# Altium PCB RcMPPT-SCC1.PcbDoc (part 1 of 2) (continued)
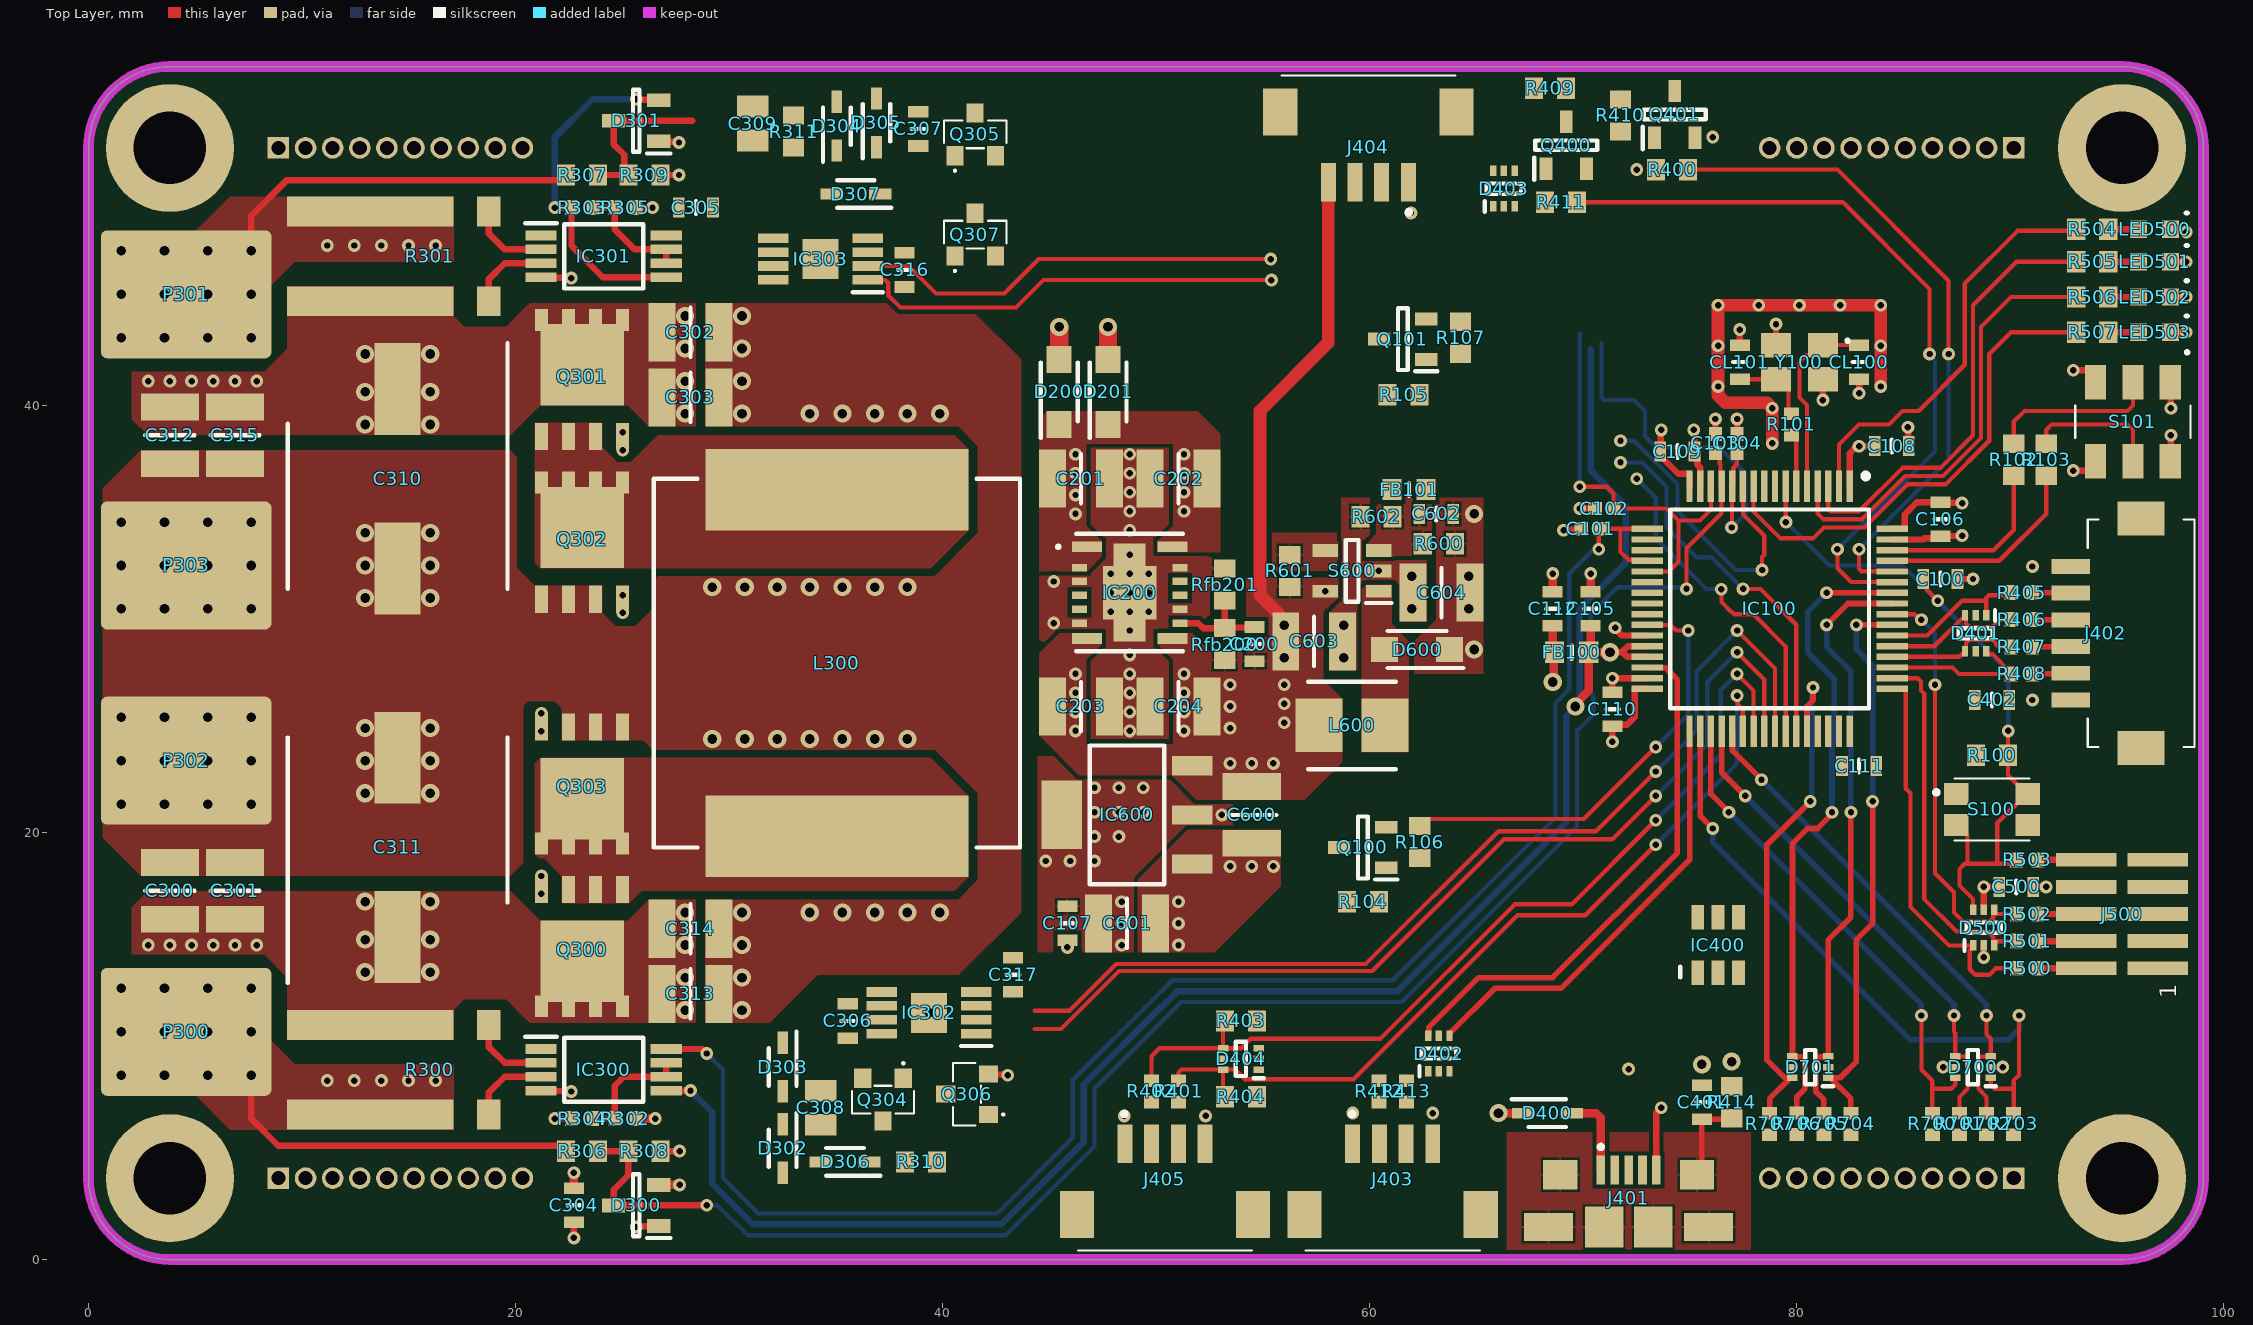
[diagram p0: Top Layer view]
## Classes and differential pairs
component class "BMS Interface": D700 D701 J700 J701 J702 J703 R700 R701 R702 R703 R704 R705 R706 R707
component class "Supply Rail Generation": C600 C601 C602 C603 C604 D600 IC600 L600 R600 R601 R602 S600
component class "SWD and LED Debug": C500 D500 J500 LED1 LED2 LED3 LED4 LED500 LED501 LED502 LED503 R5 R6 R7 R8 R500 R501 R502 R503 R504 R505 R506 R507
component class "STM32 MCU and Peripherals": C100 C101 C102 C103 C104 C105 C106 C107 C108 C109 C110 C111 C112 CL100 CL101 FB100 IC100 LED100 LED101 LED102 LED103 Q100 Q101 R100 R101 R102 R103 R104 R105 R106 R107 S100 S101 SW100 Y100
component class "RcMPPT Peripheral Interfaces": C401 C402 D400 D401 D402 D403 D404 J401 J402 J403 J404 J405 Q400 Q401 R400 R401 R402 R403 R404 R405 R406 R407 R408 R409 R410 R411 R412 R413 R414
component class "4 SW Buck Boost HW": C300 C301 C302 C303 C304 C305 C306 C307 C308 C309 C310 C311 C312 C313 C314 C315 C316 C317 D300 D301 D302 D303 D304 D305 D306 D307 IC300 IC301 IC302 IC303 L300 P300 P301 P302 P303 Q300 Q301 Q302 Q303 Q304 Q305 Q306 Q307 R300 R301 R302 R303 R304 R305 R306 R307 R308 R309 R310 R311
component class "Integrated Inductor Buck Supply": C200 C201 C202 C203 C204 D200 D201 IC200 Rfb200 Rfb201
differential pair USB-CON_5: +USB-CON_5_P -USB-CON_5_N
differential pair USB-MCU.USBD: +USB-MCU.USBD_P -USB-MCU.USBD_N

## Components (designator, comment, footprint, x,y, rotation, side; value= is the part's Value field where it differs from the comment)
C100 "100nF 3V3" CAPC1608X97N 86.741,31.877 r0 top
C101 "100nF 6.3V" CAPC1005X55N 70.358,34.23 r0 top
C102 "100nF 6.3V" CAPC1005X55N 70.993,35.179 r0 top
C103 "100nF 6.3V" CAPC1005X55N 76.2,38.227 r270 top
C104 "100nF 6.3V" CAPC1005X55N 77.216,38.227 r270 top
C105 "10nF" CAPC1608X97N 70.358,30.48 r90 top
C106 "100nF 3V3" CAPC1608X97N 86.741,34.671 r270 top
C107 "100nF 3V3" CAPC1608X97N 45.847,15.748 r270 top
C108 "100nF 3V3" CAPC1608X97N 84.455,38.1 r0 top
C109 "100nF 3V3" CAPC1608X97N 74.422,37.846 r0 top
C110 "100nF 3V3" CAPC1608X97N 71.374,25.781 r90 top
C111 "100nF 3V3" CAPC1608X97N 82.931,23.114 r180 top
C112 "10nF" CAPC1608X97N 68.58,30.48 r90 top
C200 "C0603" CAPC1608X97N 54.61,28.829 r270 top
C201 "4.7uF 100V" CAPC3225X270N 46.482,36.576 r180 top
C202 "4.7uF 100V" CAPC3225X270N 51.054,36.576 r0 top
C203 "22uF 6.3V" CAPC3225X270N 46.482,25.908 r180 top
C204 "22uF 6.3V" CAPC3225X270N 51.054,25.908 r0 top
C300 "10uF 100V" CAPC3225X270N 3.81,17.272 r90 top
C301 "10uF 100V" CAPC3225X270N 6.858,17.272 r90 top
C302 "10uF 100V" CAPC3225X270N 28.194,43.434 r0 top
C303 "10uF 100V" CAPC3225X270N 28.194,40.386 r0 top
C304 "100nF" CAPC1608X97N 22.733,2.54 r90 top
C305 "100nF" CAPC1608X97N 28.448,49.276 r180 top
C306 "3.3uF 16V" CAPC1608X97N 35.56,11.176 r270 top
C307 "3.3uF 16V" CAPC1608X97N 38.862,52.959 r90 top
C308 "10uF 16V" CAPC2012X88N 34.29,7.112 r90 top
C309 "10uF 16V" CAPC2012X88N 31.115,53.213 r90 top
C310 "47uF 100VDC 10mm" CAPAE1030X1050N 14.478,36.576 r270 top
C311 "47uF 100VDC 10mm" CAPAE1030X1050N 14.478,19.304 r90 top
C312 "10uF 100V" CAPC3225X270N 3.81,38.608 r270 top
C313 "10uF 100V" CAPC3225X270N 28.194,12.446 r0 top
C314 "10uF 100V" CAPC3225X270N 28.194,15.494 r0 top
C315 "10uF 100V" CAPC3225X270N 6.858,38.608 r270 top
C316 "3.3uF 16V" CAPC1608X97N 38.227,46.355 r270 top
C317 "3.3uF 16V" CAPC1608X97N 43.307,13.335 r90 top
C401 "1nF" CAPC1608X97N 75.565,7.366 r270 top
C402 "100nF" CAPC1608X97N 89.154,26.212 r180 top
C500 "100nF" CAPC1608X97N 90.293,17.455 r180 top
C600 "10uF 25V" CAPC3225X270N 54.483,20.828 r270 top
C601 "10uF 25V" CAPC3225X270N 48.641,15.748 r0 top
C602 "270pF NP0" CAPC1608X97N 63.119,34.925 r180 top
C603 "10uF 25V X7R" CAPC3225X270N 57.404,28.956 r0 top
C604 "10uF 25V X7R" CAPC3225X270N 63.373,31.242 r180 top
CL100 "4nF" CAPC1608X97N 82.931,42.037 r90 top
CL101 "4nF" CAPC1608X97N 77.343,42.037 r270 top
D200 "100V 2A" SOD-123FL 45.466,40.64 r90 top
D201 "100V 2A" SOD-123FL 47.752,40.64 r90 top
D300 "BAT54SQ-7-F" SOT96P240X110-3N 25.654,2.54 r180 top
D301 "BAT54SQ-7-F" SOT96P240X110-3N 25.654,53.34 r180 top
D302 "100V 1A" SOD-323 32.512,5.207 r270 top
D303 "100V 1A" SOD-323 32.512,9.017 r270 top
D304 "100V 1A" SOD-323 35.052,53.086 r90 top
D305 "100V 1A" SOD-323 36.906,53.247 r90 top
D306 "30V 1A" SOD-323 35.433,4.572 r180 top
D307 "30V 1A" SOD-323 35.941,49.911 r180 top
D400 "30V 1A" SOD-323 68.326,6.858 r0 top
D401 "D5V0F4U6V-7" SOTFL50P162X60-6N 88.392,29.337 r270 top
D402 "D5V0F4U6V-7" SOTFL50P162X60-6N 63.246,9.652 r90 top
D403 "D5V0F4U6V-7" SOTFL50P162X60-6N 66.294,50.165 r90 top
D404 "D5V0F4U6V-7" SOTFL50P162X60-6N 53.975,9.398 r180 top
D500 "D5V0F4U6V-7" SOTFL50P162X60-6N 88.769,15.55 r90 top
D600 "20V 1A/45A" SOD-123FL 62.23,28.575 r180 top
D700 "D5V0F4U6V-7" SOTFL50P162X60-6N 88.265,9.017 r180 top locked
D701 "D5V0F4U6V-7" SOTFL50P162X60-6N 80.645,9.017 r180 top locked
FB100 "220R @ 100MHz" FB0603 69.469,28.448 r0 top
FB101 "220R @ 100MHz" FB0603 61.849,36.068 r0 top (schematic designator FB100)
IC100 "STM32G474RBT6" QFP50P1200X1200X160-64N 78.74,30.48 r270 top locked
IC200 "TPSM5601R5HSRDAR" TPSM5601R5HSRDAR 48.768,31.242 r0 top locked
IC300 "INA240A4PWR" SOP65P640X120-8N 24.13,8.89 r0 top
IC301 "INA240A4PWR" SOP65P640X120-8N 24.13,46.99 r0 top
IC302 "LTC4444EMS8E-5#PBF" SOP65P490X110-9N 39.37,11.557 r180 top
IC303 "LTC4444EMS8E-5#PBF" SOP65P490X110-9N 34.29,46.863 r180 top
IC400 "USBLC6-2SC6" SOT95P280X145-6N 76.327,14.732 r90 top
IC600 "3V3 >800mA" SOT230P700X180-4N 48.641,20.828 r180 top
J401 "1981584-1" 19815841 72.136,1.524 r0 top
J402 "DF13A-6P-1.25H_21_" DF13A6P125H21 96.139,29.337 r270 top
J403 "DF13A-4P-1.25H_21_" DF13A4P125H21 61.087,2.921 r180 top
J404 "DF13A-4P-1.25H_21_" DF13A4P125H21 59.944,52.959 r0 top
J405 "DF13A-4P-1.25H_21_" DF13A4P125H21 50.419,2.921 r180 top
J500 "SWD Connector" HUSSP10W40P127_2X5_635X340X420P 95.246,16.185 r90 top
J700 "TMS-110-01-G-S" SAMTEC_TMS-110-01-G-S 84.459,3.814 r180 bottom locked
J701 "TMS-110-01-G-S" SAMTEC_TMS-110-01-G-S 14.609,3.814 r0 bottom locked
J702 "TMS-110-01-G-S" SAMTEC_TMS-110-01-G-S 84.459,52.074 r180 bottom locked
J703 "TMS-110-01-G-S" SAMTEC_TMS-110-01-G-S 14.609,52.074 r0 bottom locked
L300 "IHLP6767GZER2R2M01" FP-IHLP-6767GZ-FP_3_825X1-MFG 35.052,27.94 r90 top
L600 "78438357100" INDPM4141X310N 59.182,25.019 r0 top
LED500 "Green" CHIPLED_0603 96.774,48.26 r180 top
LED501 "Green" CHIPLED_0603 96.774,46.736 r180 top
LED502 "Green" CHIPLED_0603 96.774,45.085 r180 top
LED503 "Green" CHIPLED_0603 96.774,43.434 r180 top
P300 "PowerPad" POWER_PAD 4.572,10.668 r0 top
P301 "PowerPad" POWER_PAD 4.572,45.212 r0 top
P302 "PowerPad" POWER_PAD 4.572,23.368 r0 top
P303 "PowerPad" POWER_PAD 4.572,32.512 r0 top
Q100 "BC847A" SOT95P230X110-3N 59.69,19.304 r180 top
Q101 "BC847A" SOT95P230X110-3N 61.563,43.113 r180 top
Q300 "SIR680ADP-T1-RE3" SI7141DPT1GE3 23.114,14.52 r270 top
Q301 "SIR680ADP-T1-RE3" SI7141DPT1GE3 23.114,41.36 r90 top
Q302 "SIR680ADP-T1-RE3" SI7141DPT1GE3 23.114,33.74 r90 top
Q303 "SIR680ADP-T1-RE3" SI7141DPT1GE3 23.114,22.14 r270 top
Q304 "100V 2A" SI2305TP 37.211,7.493 r180 top
Q305 "100V 2A" SI2305TP 41.529,52.705 r0 top
Q306 "100V 2A" SI2305TP 41.148,7.747 r90 top
Q307 "100V 2A" SI2305TP 41.529,48.006 r0 top
Q400 "BC847A" SOT95P230X110-3N 69.215,52.197 r90 top
Q401 "BC847A" SOT95P230X110-3N 74.295,53.637 r90 top
R100 "10k" RESC1608X50N 89.154,23.622 r0 top
R101 "22R" RESC1005X40N 79.756,39.116 r270 top
R102 "10k" RESC1608X50N 90.17,37.465 r270 top
R103 "10k" RESC1608X50N 91.694,37.465 r270 top
R104 "2k" RESC1608X50N 59.69,16.764 r0 top
R105 "2k" RESC1608X50N 61.595,40.513 r0 top
R106 "1k" RESC1608X50N 62.357,19.558 r90 top
R107 "1k" RESC1608X50N 64.262,43.18 r90 top
R300 "5mR 4W" FC4L90R005FER 14.478,8.89 r270 top
R301 "5mR 4W" FC4L90R005FER 14.478,46.99 r270 top
R302 "18k" RESC1005X40N 25.146,6.604 r0 top
R303 "18k" RESC1005X40N 23.122,49.276 r180 top
R304 "2k" RESC1005X40N 23.114,6.604 r0 top
R305 "2k" RESC1005X40N 25.146,49.276 r180 top
R306 "82k" RESC1608X50N 23.114,5.08 r180 top
R307 "82k" RESC1608X50N 23.114,50.8 r180 top
R308 "4k3" RESC1608X50N 26.035,5.08 r180 top
R309 "4k3" RESC1608X50N 26.035,50.8 r180 top
R310 "2k" RESC1608X50N 38.989,4.572 r0 top
R311 "2k" RESC1608X50N 33.02,52.832 r90 top
R400 "10k" RESC1608X50N 74.168,51.054 r180 top
R401 "100R" RESC1005X40N 51.054,7.874 r270 top
R402 "100R" RESC1005X40N 49.784,7.874 r270 top
R403 "10k" RESC1608X50N 53.975,11.176 r180 top
R404 "10k" RESC1608X50N 53.975,7.62 r180 top
R405 "100R" RESC1005X40N 90.551,31.242 r0 top
R406 "100R" RESC1005X40N 90.551,29.972 r0 top
R407 "100R" RESC1005X40N 90.551,28.702 r0 top
R408 "100R" RESC1005X40N 90.551,27.432 r0 top
R409 "10k" RESC1608X50N 68.453,54.864 r180 top
R410 "1k" RESC1608X50N 71.755,53.594 r90 top
R411 "1k" RESC1608X50N 68.961,49.53 r0 top
R412 "100R" RESC1005X40N 60.452,7.874 r270 top
R413 "100R" RESC1005X40N 61.722,7.874 r270 top
R414 "1M" RESC1608X50N 76.962,7.366 r270 top
R500 "100R" RESC1005X40N 90.801,13.645 r180 top
R501 "100R" RESC1005X40N 90.801,14.915 r180 top
R502 "100R" RESC1005X40N 90.801,16.185 r180 top
R503 "100R" RESC1005X40N 90.801,18.725 r180 top
R504 "1k" RESC1608X50N 93.853,48.26 r0 top
R505 "1k" RESC1608X50N 93.853,46.736 r0 top
R506 "1k" RESC1608X50N 93.853,45.085 r0 top
R507 "1k" RESC1608X50N 93.853,43.434 r0 top
R600 "118k" RESC1608X50N 63.246,33.528 r180 top
R601 "1M" RESC1608X50N 56.261,32.258 r270 top
R602 "13k3" RESC1608X50N 60.325,34.798 r180 top
R700 "100R" RESC1005X40N 86.36,6.35 r270 top locked
R701 "100R" RESC1005X40N 87.63,6.35 r270 top locked
R702 "100R" RESC1005X40N 88.9,6.35 r270 top locked
R703 "100R" RESC1005X40N 90.17,6.35 r270 top locked
R704 "100R" RESC1005X40N 82.55,6.35 r270 top locked
R705 "100R" RESC1005X40N 81.28,6.35 r270 top locked
R706 "100R" RESC1005X40N 80.01,6.358 r270 top locked
R707 "100R" RESC1005X40N 78.74,6.35 r270 top locked
Rfb200 "R0603" RESC1608X50N 53.213,28.829 r270 top
Rfb201 "R0603" RESC1608X50N 53.213,31.623 r270 top
S100 "434153017835" 434153017835 89.154,21.082 r0 top
S101 "CAS-D20A1" CASD20A1 95.758,39.243 r180 top
S600 "LMR62014XMF_NOPB" SOT95P280X145-5N 59.182,32.258 r180 top locked
Y100 "16Mhz 8pF" ABM8W160000MHZ8B1UT3 80.137,42.037 r180 top

## Footprints (in the part's own frame and the unit in brackets; to place one, negate y for a bottom-side part, rotate by r counter-clockwise, add the part's x,y. Pads: shape width x height; smd on the part's side, far side on the other; paste and mask are expansions set on the pad)
19815841 [mm]
  rect 0.4x1.35 smd: 1(-1.3,2.675) 2(-0.65,2.675) 3(0,2.675) 4(0.65,2.675) 5(1.3,2.675)
  rect 1.6x1.4 smd: 6(-3.2,2.45) 7(3.2,2.45)
  rect 2.3x1.3 smd: 8(-3.75,0) 9(3.75,0)
  rect 1.8x1.9 smd: 10(-1.15,0) 11(1.15,0)
  silkscreen extent -1.4,3.65 -1.2,3.85, body extent -4.4,-2.93 4.4,2.68, height 2.8
434153017835 [mm]
  rect 1.15x1.05 smd: 1(-1.675,0.725) 2(-1.675,-0.725) 3(1.675,-0.725) 4(1.675,0.725)
  silkscreen extent -2.7,-1.45 1.75,1.45, body extent -2.14,-1.45 2.14,1.45, height 1.1
ABM8W160000MHZ8B1UT3 [mm]
  rect 1.4x1.15 smd: 1(-1.1,-0.8) 2(1.1,-0.8) 3(1.1,0.8) 4(-1.1,0.8)
  silkscreen extent -2.3,-1.05 -2.2,-0.95, body extent -1.69,-1.26 1.69,1.26, height 0.85
CAPAE1030X1050N [mm]
  rect 4.3x2.15 smd: 1(-4.2,0) 2(4.2,0)
  silkscreen extent -6.35,-5.15 5.15,5.15, body extent -5.65,-5.25 5.65,5.25, height 10.5
CAPC1005X55N [mm]
  rect 0.65x0.62 smd: 1(-0.44,0) 2(0.44,0)
  body extent -0.5,-0.25 0.5,0.25, height 0.55
CAPC1608X97N [mm]
  rect 0.54x0.94 smd: 1(-0.8,0) 2(0.8,0)
  silkscreen extent 0,-0.3 0,0.3, body extent -0.8,-0.4 0.8,0.4, height 0.9
CAPC2012X88N [mm]
  rect 1.02x1.47 smd: 1(-0.8,0) 2(0.8,0)
  body extent -1,-0.63 1,0.63, height 0.88
CAPC3225X270N [mm]
  rect 1.26x2.72 smd: 1(-1.33,0) 2(1.33,0)
  silkscreen extent 0,-1.15 0,1.15, body extent -1.6,-1.25 1.6,1.25, height 2.7
CASD20A1 [mm]
  rect 1x1.6 smd: 1(-1.75,-1.85) 2(0,-1.85) 3(1.75,-1.85) 4(-1.75,1.85) 5(0,1.85) 6(1.75,1.85)
  silkscreen extent -2.7,-3.3 2.7,0.75, body extent -2.7,-2.55 2.7,2.55, height 2.6
CHIPLED_0603 [mm]
  rect 0.8x0.8 smd: 1(-0.75,0) 2(0.75,0)
  silkscreen extent -1.52,-0.76 -1.47,-0.76, body extent -0.8,-0.4 0.8,0.4, height 0.5
DF13A4P125H21 [mm]
  rect 0.7x1.8 smd: 1(1.875,-2.5) 2(0.625,-2.5) 3(-0.625,-2.5) 4(-1.875,-2.5)
  rect 1.6x2.2 smd: MP1(-4.125,0.8) MP2(4.125,0.8)
  silkscreen extent -4.08,-4 4.08,2.5, body extent -4.82,-2.94 4.82,3.56, height 3.68
DF13A6P125H21 [mm]
  rect 0.7x1.8 smd: 1(-3.125,-3.3) 2(-1.875,-3.3) 3(-0.625,-3.3) 4(0.625,-3.3) 5(1.875,-3.3) 6(3.125,-3.3)
  rect 1.6x2.2 smd: MP1(-5.375,0) MP2(5.375,0)
  silkscreen extent -5.33,-2.5 5.33,2.5, body extent -6.07,-3.83 6.07,2.67, height 3.68
FB0603 [mm]
  rect 0.9x1 smd: 1(-0.8,0) 2(0.8,0)
  silkscreen extent 0,-0.3 0,0.3, body extent -0.8,-0.4 0.8,0.4, height 0.75
FC4L90R005FER [mm]
  rect 1.4x1.1 smd: 1(-2.1,4.275) 4(2.1,4.275)
  rect 1.4x7.8 smd: 2(-2.1,-1.275) 3(2.1,-1.275)
  body extent -2.69,-5.03 2.69,4.71, height 0.9
FP-IHLP-6767GZ-FP_3_825X1-MFG [mm]
  rect 3.825x12.32 smd paste+0 mask+0: 1(-8.117,0) 2(8.117,0)
  silkscreen extent -8.64,-8.57 8.64,8.57, body extent -10.13,-8.67 10.13,8.67, height 0.25
HUSSP10W40P127_2X5_635X340X420P [mm]
  rect 0.65x2.85 smd: 1(-2.54,-1.675) 2(-2.54,1.675) 3(-1.27,-1.675) 4(-1.27,1.675) 5(0,-1.675) 6(0,1.675) 7(1.27,-1.675) 8(1.27,1.675) 9(2.54,-1.675) 10(2.54,1.675)
  body extent -6.35,-3.05 6.35,3.05, height 5.33
INDPM4141X310N [mm]
  rect 2.2x2.5 smd: 1(-1.55,0) 2(1.55,0)
  silkscreen extent -2.05,-2.05 2.05,2.05, body extent -2.05,-2.05 2.05,2.05, height 3.1
POWER_PAD [mm]
  round 0.85 hole 0.45: 1(-3.048,-2.032) 1(-3.048,0) 1(-3.048,2.032) 1(-1.016,-2.032) 1(-1.016,0) 1(-1.016,2.032) 1(1.016,-2.032) 1(1.016,0) 1(1.016,2.032) 1(3.048,-2.032) 1(3.048,0) 1(3.048,2.032)
  rrect10% 8x6 smd: 1(0,0)
  rrect10% 8x6 smd far side: 1(0,0)
QFP50P1200X1200X160-64N [mm]
  rect 1.475x0.298 smd: 1(-5.738,3.75) 2(-5.738,3.25) 3(-5.738,2.75) 4(-5.738,2.25) 5(-5.738,1.75) 6(-5.738,1.25) 7(-5.738,0.75) 8(-5.738,0.25) 9(-5.738,-0.25) 10(-5.738,-0.75) 11(-5.738,-1.25) 12(-5.738,-1.75) 13(-5.738,-2.25) 14(-5.738,-2.75) 15(-5.738,-3.25) 16(-5.738,-3.75) 33(5.738,-3.75) 34(5.738,-3.25) 35(5.738,-2.75) 36(5.738,-2.25) 37(5.738,-1.75) 38(5.738,-1.25) 39(5.738,-0.75) 40(5.738,-0.25) 41(5.738,0.25) 42(5.738,0.75) 43(5.738,1.25) 44(5.738,1.75) 45(5.738,2.25) 46(5.738,2.75) 47(5.738,3.25) 48(5.738,3.75)
  rect 0.298x1.475 smd: 17(-3.75,-5.738) 18(-3.25,-5.738) 19(-2.75,-5.738) 20(-2.25,-5.738) 21(-1.75,-5.738) 22(-1.25,-5.738) 23(-0.75,-5.738) 24(-0.25,-5.738) 25(0.25,-5.738) 26(0.75,-5.738) 27(1.25,-5.738) 28(1.75,-5.738) 29(2.25,-5.738) 30(2.75,-5.738) 31(3.25,-5.738) 32(3.75,-5.738) 49(3.75,5.738) 50(3.25,5.738) 51(2.75,5.738) 52(2.25,5.738) 53(1.75,5.738) 54(1.25,5.738) 55(0.75,5.738) 56(0.25,5.738) 57(-0.25,5.738) 58(-0.75,5.738) 59(-1.25,5.738) 60(-1.75,5.738) 61(-2.25,5.738) 62(-2.75,5.738) 63(-3.25,5.738) 64(-3.75,5.738)
  silkscreen extent -6.35,-4.65 4.65,4.65, body extent -6,-6 6,6, height 1.6
RESC1005X40N [mm]
  rect 0.6x0.7 smd: 1(-0.5,0) 2(0.5,0)
  body extent -0.5,-0.25 0.5,0.25, height 0.4
RESC1608X50N [mm]
  rect 0.85x1 smd: 1(-0.75,0) 2(0.75,0)
  body extent -0.79,-0.43 0.79,0.43, height 0.5
SAMTEC_TMS-110-01-G-S [mm]
  rect 1.01x1.01 hole 0.66: 01(-5.715,0)
  round 1.01 hole 0.66: 02(-4.445,0) 03(-3.175,0) 04(-1.905,0) 05(-0.635,0) 06(0.635,0) 07(1.905,0) 08(3.175,0) 09(4.445,0) 10(5.715,0)
  silkscreen extent -6.35,-1.22 6.35,1.22, body extent -6.35,-1.22 6.35,1.22, height 8.43
SI2305TP [mm]
  rect 0.8x0.9 smd: 1(-0.95,-1) 2(0.95,-1) 3(0,1)
  silkscreen extent -1.46,-1.75 1.46,0.65, body extent -1.4,-1.05 1.4,1.05, height 0.89
SI7141DPT1GE3 [mm]
  rect 1.27x0.61 smd: 1(-2.81,1.905) 2(-2.81,0.635) 3(-2.81,-0.635) 4(-2.81,-1.905)
  rect 0.71x0.61 smd: 5(2.81,-1.905) 6(2.81,-0.635) 7(2.81,0.635) 8(2.81,1.905)
  rect 3.81x3.91 smd: 9(0.55,0)
  rect 0.32x0.255 smd: 10(2.3,2.083) 11(2.3,-2.083)
  body extent -3.38,-2.45 3.1,2.45, height 1.22
SOD-123FL [mm]
  rect 1.26x1.17 smd: 1(-1.525,0) 2(1.525,0)
  silkscreen extent -2.15,-0.86 1.38,0.86, body extent -1.8,-0.86 1.8,0.86, height 1.08
SOD-323 [mm]
  rect 1.05x0.5 smd: 1(-1.138,0) 2(1.138,0)
  silkscreen extent -1.66,-0.65 0.87,0.65, body extent -1.25,-0.65 1.25,0.65, height 1.1
SOP65P490X110-9N [mm]
  rect 1.425x0.45 smd: 1(-2.212,0.975) 2(-2.212,0.325) 3(-2.212,-0.325) 4(-2.212,-0.975) 5(2.212,-0.975) 6(2.212,-0.325) 7(2.212,0.325) 8(2.212,0.975)
  rect 1.68x1.88 smd: 9(0,0)
  silkscreen extent -2.93,1.55 -1.5,1.55, body extent -2.45,-1.5 2.45,1.5, height 1.1
SOP65P640X120-8N [mm]
  rect 1.475x0.45 smd: 1(-2.938,0.975) 2(-2.938,0.325) 3(-2.938,-0.325) 4(-2.938,-0.975) 5(2.938,-0.975) 6(2.938,-0.325) 7(2.938,0.325) 8(2.938,0.975)
  silkscreen extent -3.67,-1.5 1.85,1.55, body extent -3.21,-1.5 3.21,1.5, height 1.08
SOT95P230X110-3N [mm]
  rect 1.05x0.6 smd: 1(-1.1,0.95) 2(-1.1,-0.95) 3(1.1,0)
  silkscreen extent -1.63,-1.45 0.23,1.5, body extent -1.15,-1.45 1.15,1.45, height 1.1
SOT95P280X145-5N [mm]
  rect 1.2x0.6 smd: 1(-1.25,0.95) 2(-1.25,0) 3(-1.25,-0.95) 4(1.25,-0.95) 5(1.25,0.95)
  silkscreen extent -1.85,-1.45 0.3,1.5, body extent -1.4,-1.45 1.4,1.45, height 1.2
SOT95P280X145-6N [mm]
  rect 1.15x0.6 smd: 1(-1.3,0.95) 2(-1.3,0) 3(-1.3,-0.95) 4(1.3,-0.95) 5(1.3,0) 6(1.3,0.95)
  silkscreen extent -1.52,1.78 -1.02,1.78, body extent -1.4,-1.46 1.4,1.46, height 1.45
SOT96P240X110-3N [mm]
  rect 1.1x0.65 smd: 1(-1.05,0.96) 2(-1.05,-0.96) 3(1.05,0)
  silkscreen extent -1.6,-1.45 0.15,1.54, body extent -1.2,-1.45 1.2,1.45, height 1.1
SOT230P700X180-4N [mm]
  rect 1.9x0.9 smd: 1(-3.05,2.3) 2(-3.05,0) 3(-3.05,-2.3)
  rect 1.9x3.2 smd: 4(3.05,0)
  silkscreen extent -1.75,-3.25 1.75,3.25, body extent -3.5,-3.25 3.5,3.25, height 1.8
SOTFL50P162X60-6N [mm]
  rect 0.492x0.3 smd: 1(-0.834,0.5) 2(-0.834,0) 3(-0.834,-0.5) 4(0.834,-0.5) 5(0.834,0) 6(0.834,0.5)
  silkscreen extent -1.08,-0.8 0.24,0.9, body extent -0.81,-0.8 0.81,0.8, height 0.6
TPSM5601R5HSRDAR [mm]
  rect 1.4x0.5 smd: 1(-2,2.145) 7(-2,-2.155) 8(2,-2.155) 14(2,2.145)
  rect 0.7x0.35 smd: 2(-2.35,1.17) 3(-2.35,0.52) 4(-2.35,-0.13) 5(-2.35,-0.78) 6(-2.35,-1.43) 9(2.35,-1.43) 10(2.35,-0.78) 11(2.35,-0.13) 12(2.35,0.52) 13(2.35,1.17)
  rect 2.5x2.5 smd: 15(0,0)
  rect 1.5x1.05 smd: 16(0,-1.775) 17(0,1.775)
  silkscreen extent -3.4,-2.75 2.5,2.75, body extent -2.5,-2.75 2.5,2.75, height 4.2

## Part data
C100 C105 C106 C107 C108 C109 C110 C111 C112 C304 C305 C306 C307 C316 C317 C401 C402 C500 C602 CL100 CL101: library part C0603, "Capacitor", Height=0.97
C101 C102 C103 C104: library part C0402, "Capacitor"
C200: "Capacitor", Height=0.97
C201 C202 C203 C204 C300 C301 C302 C303 C312 C313 C314 C315 C600 C601 C603 C604: library part C1210, "Capacitor", Manufacturer_Name=Vishay, Manufacturer_Part_Number=VJ0603Y104JXJAC, Mouser Part Number=77-VJ0603Y104JXJAC, Datasheet Link=http://www.vishay.com/docs/45226/vj31xrohsautomlcc.pdf, Height=0.97mm, Mouser Price/Stock=https://www.mouser.com/Search/Refine.aspx?Keyword=77-VJ0603Y104JXJAC
C308 C309: library part C0805, "Capacitor", Height=0.97
C310 C311: library part ELKO, "Capacitor Polarised"
D200 D201 D302 D303 D304 D305 D306 D307 D400 D600: library part SCHOTTKY-DIODE, "Schottky Diode"
D300 D301: "Schottky Diode", Manufacturer_Name="Diodes Inc.", Mouser Part Number=621-BAT54SQ-7-F, Arrow Part Number=BAT54SQ-7-F, Arrow Price/Stock=https://www.arrow.com/en/products/bat54sq-7-f/diodes-incorporated, Datasheet Link=https://www.arrow.com/en/products/bat54sq-7-f/diodes-incorporated, Height=1.1mm, Manufacturer_Part_Number=BAT54SQ-7-F, Mouser Price/Stock=https://www.mouser.co.uk/ProductDetail/Diodes-Incorporated/BAT54SQ-7-F/?qs=vdQOMtKMWaAKaYcjx11stw%3D%3D
D401 D402 D403 D404 D500 D700 D701: "TVS Diode Array", Manufacturer_Name="Diodes Inc.", Mouser Part Number=621-D5V0F4U6V-7, Arrow Part Number=D5V0F4U6V-7, Arrow Price/Stock=https://www.arrow.com/en/products/d5v0f4u6v-7/diodes-incorporated, Datasheet Link=https://www.diodes.com/assets/Datasheets/D5V0F4U6V.pdf, Height=0.6mm, Manufacturer_Part_Number=D5V0F4U6V-7, Mouser Price/Stock=https://www.mouser.com/Search/Refine.aspx?Keyword=621-D5V0F4U6V-7
FB100 FB101: library part FB0603, "Ferrite Bead", Arrow Part Number=MPZ1608S221ATA00, Manufacturer_Name=TDK, Mouser Part Number=810-MPZ1608S221ATA00, Arrow Price/Stock=https://www.arrow.com/en/products/mpz1608s221ata00/tdk?region=nac, Datasheet Link=https://product.tdk.com/system/files/dam/doc/product/emc/emc/beads/catalog/beads_commercial_power_mpz1608_en.pdf, Height=0.75mm, Manufacturer_Part_Number=MPZ1608S221ATA00, Mouser Price/Stock=https://www.mouser.co.uk/ProductDetail/TDK/MPZ1608S221ATA00?qs=pLY5GE0xrmLZeKkazChaNg%3D%3D
IC100: "Integrated Circuit", Manufacturer_Name=STMicroelectronics, Mouser Part Number=511-STM32G474RBT6, Datasheet Link=https://www.mouser.com/datasheet/2/389/stm32g474cb-1600828.pdf, Height=1.6mm, Manufacturer_Part_Number=STM32G474RBT6, Mouser Price/Stock=https://www.mouser.co.uk/ProductDetail/STMicroelectronics/STM32G474RBT6?qs=uwxL4vQweFP0uAZUZXLBhQ%3D%3D
IC200: "Integrated Circuit", Manufacturer_Name="Texas Instruments", Mouser Part Number=595-TPSM5601R5HSRDAR, Arrow Part Number=TPSM5601R5HSRDAR, Arrow Price/Stock=https://www.arrow.com/en/products/tpsm5601r5hsrdar/texas-instruments?region=nac, Datasheet Link=https://www.ti.com/lit/ds/symlink/tpsm5601r5h.pdf?ts=1622688238120&ref_url=https%253A%252F%252Fcomponentsearchengine.com%252F, Height=4.1mm, Manufacturer_Part_Number=TPSM5601R5HSRDAR, Mouser Price/Stock=https://www.mouser.co.uk/ProductDetail/Texas-Instruments/TPSM5601R5HSRDAR?qs=DRkmTr78QARQPwPAx4O%252BKQ%3D%3D
IC300 IC301: "Integrated Circuit", Manufacturer_Name="Texas Instruments", Mouser Part Number=595-INA240A4PWR, Arrow Part Number=INA240A4PWR, Arrow Price/Stock=https://www.arrow.com/en/products/ina240a4pwr/texas-instruments?region=nac, Datasheet Link=http://www.ti.com/lit/ds/symlink/ina240.pdf, Height=1.2mm, Manufacturer_Part_Number=INA240A4PWR, Mouser Price/Stock=https://www.mouser.co.uk/ProductDetail/Texas-Instruments/INA240A4PWR?qs=aVyJF2WnouQ31PAZ9p0r8w%3D%3D
IC302 IC303: "Integrated Circuit", Manufacturer_Name="Linear Technology", Mouser Part Number=584-C4444EMS8E-5PBF, Arrow Part Number=LTC4444EMS8E-5#PBF, Arrow Price/Stock=https://www.arrow.com/en/products/ltc4444ems8e-5pbf/linear-technology, Datasheet Link=http://www.linear.com/docs/26366, Height=1.1mm, Manufacturer_Part_Number=LTC4444EMS8E-5#PBF, Mouser Price/Stock=https://www.mouser.com/Search/Refine.aspx?Keyword=584-C4444EMS8E-5PBF
IC400: "Integrated Circuit", Manufacturer_Name=STMicroelectronics, Mouser Part Number=511-USBLC6-2SC6, Arrow Part Number=USBLC6-2SC6, Arrow Price/Stock=https://www.arrow.com/en/products/usblc6-2sc6/stmicroelectronics, Datasheet Link=http://www.st.com/st-web-ui/static/active/en/resource/technical/document/datasheet/CD00050750.pdf, Height=1.45mm, Manufacturer_Part_Number=USBLC6-2SC6, Mouser Price/Stock=https://www.mouser.co.uk/ProductDetail/STMicroelectronics/USBLC6-2SC6?qs=po45yt2pPpu%2FhNIlwQdTlg%3D%3D
IC600: library part LDO-SOT223, "LDO"
J401: "Connector", Manufacturer_Name="TE Connectivity", Mouser Part Number=571-1981584-1, Arrow Part Number=1981584-1, Arrow Price/Stock=https://www.arrow.com/en/products/1981584-1/te-connectivity, Datasheet Link=http://www.te.com/commerce/DocumentDelivery/DDEController?Action=showdoc&DocId=Customer+Drawing%7F1981584%7FD2%7Fpdf%7FEnglish%7FENG_CD_1981584_D2.pdf%7F1981584-1, Height=3mm, Manufacturer_Part_Number=1981584-1, Mouser Price/Stock=https://www.mouser.co.uk/ProductDetail/TE-Connectivity/1981584-1?qs=ozkTL%2FUej0TLYxjQLPnd2Q%3D%3D
J402: "Connector", Arrow Part Number=DF13A-6P-1.25H(21), Manufacturer_Name=Hirose, Mouser Part Number=798-DF13A6P125H21, Arrow Price/Stock=https://www.arrow.com/en/products/df13a-6p-1.25h-21/hirose-electric, Datasheet Link=https://www.hirose.com/product/download/?distributor=digikey&type=2d&lang=en&num=DF13A-6P-1.25H(21), Height=3.75mm, Manufacturer_Part_Number=DF13A-6P-1.25H(21), Mouser Price/Stock=https://www.mouser.co.uk/ProductDetail/Hirose-Connector/DF13A-6P-125H21?qs=XQjbzJWzFPXnreVi%252BPl0Lg%3D%3D
J403 J404 J405: "Connector", Manufacturer_Name=Hirose, Manufacturer_Part_Number=DF13A-4P-1.25H(21), Mouser Part Number=798-DF13A4P125H21, Datasheet Link=https://componentsearchengine.com/Datasheets/1/DF13A-4P-1.25H(21).pdf, Height=3.6mm, Mouser Price/Stock=https://www.mouser.co.uk/ProductDetail/Hirose-Connector/DF13A-4P-125H21?qs=XQjbzJWzFPXWzMShI70F0w%3D%3D
J500: library part M50-3600542R, "Connector", Manufacturer_Name=Harwin, Mouser Part Number=855-M50-3600542R, Datasheet Link=https://cdn.harwin.com/pdfs/M50-360R.pdf, Manufacturer_Part_Number=M50-3600542R, Mouser Price/Stock=https://www.mouser.co.uk/ProductDetail/Harwin/M50-3600542R?qs=DVxm2sPGGrrPu%2FxuhpV3yw%3D%3D
J700 J701 J702 J703: Package=None, Availability=Unavailable, MF="{'manufacturer': u'Samtec'}", MP=TMS-110-01-G-S, Price=None
L300: "Commercial Inductors, High Saturation Series 2.2uH 35A 2.53mΩ 20%", Case/Package=6767, Current Rating=35A, DC Resistance (DCR)=2.53mR, Inductance=2.2uH, Inductance Tolerance=20%, Manufacturer="Vishay Dale", Max DC Current=62A, Max Operating Temperature=125°C, Min Operating Temperature=-55°C, Package Quantity=200, Self Resonant Frequency=2MHz, Test Frequency=100kHz, Core Material=Metal, Depth=17.15mm, Height=7mm, Height - Seated (Max)=0.276inch, Lead Free="Lead Free", Length=17.15mm, Manufacturer Part Number=IHLP6767GZER2R2M01, Military Standard=Not, Mount="Surface Mount", Number of Pins=6767, Packaging="Tape and Reel", Radiation Hardening=No, RMS Current (Irms)=35A, Saturation Current=62A, Shielding=Shielded, Termination=SMD/SMT, Tolerance=20%, Width=0.675inch
L600: "Inductor", Manufacturer_Name="Wurth Elektronik", Mouser Part Number=710-78438357100, Datasheet Link=https://katalog.we-online.de/pbs/datasheet/78438357100.pdf, Height=3.1mm, Manufacturer_Part_Number=78438357100, Mouser Price/Stock=https://www.mouser.co.uk/ProductDetail/Wurth-Elektronik/78438357100?qs=f9yNj16SXrI9saR5LXmRyQ%3D%3D
LED500 LED501 LED502 LED503: library part CHIPLED0603, "LED", Mouser Price/Stock=https://www.mouser.at/c/optoelectronics/led-lighting/led-emitters/standard-leds-smd/?series=CHIPLED%200603&instock=y
Q100 Q101 Q400 Q401: library part BC847A,235, "Transistor BJT NPN", Manufacturer_Name=Nexperia, Mouser Part Number=771-BC847A235, Arrow Part Number=BC847A,235, Arrow Price/Stock=https://www.arrow.com/en/products/bc847a235/nexperia, Datasheet Link=http://assets.nexperia.com/documents/data-sheet/BC847_SER.pdf, Height=1.1mm, Manufacturer_Part_Number=BC847A,235, Mouser Price/Stock=https://www.mouser.co.uk/ProductDetail/Nexperia/BC847A235?qs=me8TqzrmIYWeD%252BqPzufrRA%3D%3D
Q300 Q301 Q302 Q303: "MOSFET (N-Channel)", Manufacturer_Name=Vishay, Mouser Part Number=78-SIR680ADP-T1-RE3, Datasheet Link=https://componentsearchengine.com/Datasheets/2/SIR680ADP-T1-RE3.pdf, Height=1.12mm, Manufacturer_Part_Number=SIR680ADP-T1-RE3, Mouser Price/Stock=https://www.mouser.co.uk/ProductDetail/Vishay-Semiconductors/SIR680ADP-T1-RE3?qs=Cb2nCFKsA8raqFl13vB9OA%3D%3D
Q304 Q305 Q306 Q307: library part NMOS, "MOSFET (N-Channel)"
R100 R102 R103 R104 R105 R106 R107 R306 R307 R308 R309 R310 R311 R400 R403 R404 R409 R410 R411 R414 R504 R505 R506 R507 R600 R601 R602: library part R0603, "Resistor", Arrow Part Number=ERJ-PA3J104V, Manufacturer_Name=Panasonic, Mouser Part Number=667-ERJ-PA3J104V, Arrow Price/Stock=https://www.arrow.com/en/products/erj-pa3j104v/panasonic, Datasheet Link=https://industrial.panasonic.com/cdbs/www-data/pdf/RDO0000/AOA0000C331.pdf, Height=0.55mm, Manufacturer_Part_Number=ERJ-PA3J104V, Mouser Price/Stock=https://www.mouser.co.uk/ProductDetail/Panasonic/ERJ-PA3J104V/?qs=BzJM0faLVqV4tD3ZRAThew%3D%3D
R101 R302 R303 R304 R305 R401 R402 R405 R406 R407 R408 R412 R413 R500 R501 R502 R503 R700 R701 R702 R703 R704 R705 R706 R707: library part R0402, "Resistor", Height=0.4mm
R300 R301: library part FC4L90R005FER, "Shunt", Manufacturer_Name=Ohmite, Mouser Part Number=588-FC4L90R005FER, Datasheet Link=https://componentsearchengine.com/Datasheets/2/FC4L90R005FER.pdf, Height=0.8mm, Manufacturer_Part_Number=FC4L90R005FER, Mouser Price/Stock=https://www.mouser.co.uk/ProductDetail/Ohmite/FC4L90R005FER?qs=lc2O%252BfHJPVbbUOwenJZbzA%3D%3D
Rfb200 Rfb201: "Resistor", Arrow Part Number=ERJ-PA3J104V, Manufacturer_Name=Panasonic, Mouser Part Number=667-ERJ-PA3J104V, Arrow Price/Stock=https://www.arrow.com/en/products/erj-pa3j104v/panasonic, Datasheet Link=https://industrial.panasonic.com/cdbs/www-data/pdf/RDO0000/AOA0000C331.pdf, Height=0.55mm, Manufacturer_Part_Number=ERJ-PA3J104V, Mouser Price/Stock=https://www.mouser.co.uk/ProductDetail/Panasonic/ERJ-PA3J104V/?qs=BzJM0faLVqV4tD3ZRAThew%3D%3D
S100: library part SW-SPST, "Switch"
S101: "Switch", Manufacturer_Name="Copal Electronics", Datasheet Link=https://www.nidec-copal-electronics.com/e/catalog/switch/cas.pdf, Height=2.5mm, Manufacturer_Part_Number=CAS-D20A1
S600: "Switch", Arrow Part Number=LMR62014XMF/NOPB, Manufacturer_Name="Texas Instruments", Mouser Part Number=926-LMR62014XMF/NOPB, Arrow Price/Stock=https://www.arrow.com/en/products/lmr62014xmfnopb/texas-instruments, Datasheet Link=http://www.ti.com/lit/gpn/lmr62014, Height=1.45mm, Manufacturer_Part_Number=LMR62014XMF/NOPB, Mouser Price/Stock=https://www.mouser.co.uk/ProductDetail/Texas-Instruments/LMR62014XMF-NOPB?qs=cN01o9PeIQtA177Vn0GXdQ%3D%3D
Y100: library part ABM8W-16.0000MHZ-8-B1U-T3, "Crystal or Oscillator", Manufacturer_Name=ABRACON, Mouser Part Number=815-8W16-8B1UT, Arrow Part Number=ABM8W-16.0000MHZ-8-B1U-T3, Arrow Price/Stock=https://www.arrow.com/en/products/abm8w-16.0000mhz-8-b1u-t3/abracon, Datasheet Link=https://abracon.com/Resonators/ABM8W.pdf, Height=0.75mm, Manufacturer_Part_Number=ABM8W-16.0000MHZ-8-B1U-T3, Mouser Price/Stock=https://www.mouser.co.uk/ProductDetail/ABRACON/ABM8W-160000MHZ-8-B1U-T3?qs=5aG0NVq1C4zuwTHNFUIcqw%3D%3D

## Free pads (board coordinates)
  round 6 hole 3.4: 2(3.81,3.81) 2(3.81,52.07) 2(95.25,3.81) 2(95.25,52.07)

## Via types
v1: diameter 0.6, hole 0.3, Top Layer to Bottom Layer, tented both sides, 222 vias
v2: diameter 0.85, hole 0.45, Top Layer to Bottom Layer, tented both sides, 83 vias

## Nets (pads, with @x,y where several pads share a name; then routed paths per layer and width w, separated by ;. In a path a pad name is that pad's centre, name@x,y a point inside that pad or via, vN(x,y) a via of type N, cw(c..) or ccw(c..) an arc to the next point about the centre after c; other vN are vias at no path point)
3V3: C106.1 C107.1 C108.1 C109.1 C110.1 C111.1 C112.1 C402.2 C500.2 C601.1 D401.5 D402.5 D404.5 D500.5 D700.5 D701.5 FB100.1 IC100.1 IC100.16 IC100.32 IC100.48 IC100.64 IC400.5 IC600.2 IC600.4 J402.1 J403.1 J405.4 J500.1 J700.05 R100.1 R400.2 R403.1 R404.1 S101.1 S101.4 | length 21.9
  Top Layer w0.3: v1(71.374,24.257) C110.1@71.374,24.981 71.452,25.059 72.072,25.059 72.414,25.401 72.414,26.729 72.415,26.73 IC100.32@73.002,26.73 ; v1(73.66,38.862) 73.641,38.843 73.641,37.865 C109.1@73.622,37.846 73.622,37.646 74.462,36.806 74.989,36.806 74.99,36.805 IC100.16@74.99,36.218 ; IC100.1@82.49,36.218 82.49,37.774 82.758,38.043 82.792,38.043 82.804,38.054 v1@82.804,38.1 ; v1(82.931,38.1) C108.1@83.655,38.1 ; IC100.64@84.478,34.23 85.065,34.23 85.066,34.231 85.066,34.901 85.636,35.471 C106.1@86.741,35.471 86.76,35.452 87.738,35.452 v1(87.757,35.433) ; v1(86.868,9.017) D700.5@87.431,9.017 ; D500.5@88.769,16.384 v1(88.769,17.457) 89.491,17.457 C500.2@89.493,17.455 ; S101.4@97.508,37.393 97.536,37.421 v1(97.536,38.608) ; S101.1@97.508,41.093 97.536,41.065 v1(97.536,39.878)
  Top Layer w0.4: v2(68.58,27.051) 68.624,27.095 68.624,28.403 FB100.1@68.669,28.448 68.58,28.537 C112.1@68.58,29.68
  other v1: 52.324,6.731 59.212,6.858 48.387,14.732 48.387,15.748 48.387,16.764 44.831,18.669 45.974,18.669 47.117,18.669 47.117,19.812 48.26,19.812 53.086,20.828 47.117,20.955 48.26,20.955 49.403,20.955 47.117,22.098 48.26,22.098 49.403,22.098 91.051,32.462 72.517,51.054
+5: C200.2 C203.2 C204.2 C600.1 C603.1 D400.1 D403.5 IC200.7 IC200.8 IC600.3 J404.4 L600.1 R409.2 R601.2 Rfb200.2 S600.5 | length 34.9
  Top Layer w0.4: v2(66.04,6.858) D400.1@67.188,6.858
  Top Layer w0.6: v2(56.007,29.718) 55.744,29.981 55.744,30.235 54.864,31.115 54.864,39.751 58.069,42.956 J404.4@58.069,50.459
  Mid Layer 1 w0.6: v1(46.228,24.765) v1(46.228,25.654) v1(46.228,26.543) v1(46.228,27.432) ; v1(51.308,24.765) v1(51.308,25.654) v1(51.308,26.543) v1(51.308,27.432) ; v1(53.467,23.241) v1(54.483,23.241) v1(55.499,23.241) ; v1(53.467,24.892) v1(53.467,25.908) v1(53.467,26.924) ; v1(56.007,25.146) v1(56.007,26.035) v1(56.007,26.924)
  other v1: 57.932,31.308
  other v2: 56.007,28.194
+12: C316.1 C317.1 C602.1 C604.1 D302.2 D305.2 D600.1 IC302.3 IC303.3 R104.2 R105.2 R600.1
  other v2: 64.897,28.575 64.643,30.48 64.643,32.004 64.897,34.925
A3V3: C105.1 C304.2 C305.2 D300.2 D301.2 FB100.2 IC100.28 IC100.29 IC300.5 IC301.5 R302.2 R303.2 | length 107.4
  Top Layer w0.3: v1(21.844,49.276) R303.2@22.622,49.276 22.622,47.482 24.089,46.015 IC301.5@27.068,46.015 ; v1(25.654,54.356) 25.682,54.328 26.676,54.328 D301.2@26.704,54.3 ; IC300.5@27.068,7.915 v1(28.194,7.915) ; v2(71.264,28.448) 71.844,28.448 72.062,28.23 IC100.29@73.002,28.23 ; 71.848,28.485 72.093,28.73 IC100.28@73.002,28.73
  Top Layer w0.4: C304.2@22.733,3.34 v1(22.733,4.064) ; R302.2@25.646,6.604 v1(26.543,6.604) ; D300.2@26.704,3.5 v1(27.686,3.5) ; v2(69.644,25.905) 69.644,26.027 70.269,26.652 FB100.2@70.269,28.448 ; C105.1@70.358,29.68 70.358,28.537 FB100.2@70.269,28.448 ; v2(71.264,28.448) 71.247,28.448 FB100.2@70.269,28.448
  Bottom Layer w0.3: v1(21.844,49.276) 21.844,52.578 23.622,54.356 v1(25.654,54.356) ; v1(28.194,7.915) 29.21,6.899 29.21,3.556 31.115,1.651 42.755,1.651 46.609,5.505 46.609,8.211 50.229,11.831 50.273,11.831 50.877,12.435 50.877,12.48 50.971,12.573 61.297,12.573 69.215,20.491 69.215,25.476 v2(69.644,25.905) 69.644,26.054 69.85,26.26 69.85,30.48 72.009,32.639 72.009,35.306 70.358,36.957 70.358,42.645
ALERT-IO_8: J700.08 R705.2
ALERT_H: D701.3 IC100.57 R705.1 | length 27.9
  Top Layer w0.261: R705.1@81.28,6.85 81.28,7.493 80.899,7.874 80.899,9.3 81.096,9.498 81.46,9.498 D701.3@81.479,9.517 81.479,14.964 82.55,16.035 v1(82.55,20.955) ; v1(81.407,29.73) 82.407,30.73 IC100.57@84.478,30.73
  Bottom Layer w0.261: v1(81.407,29.73) 81.407,28.702 82.55,27.559 v1(82.55,20.955)
BOOST-BIN: IC100.43 IC303.2 | length 38.6
  Top Layer w0.2: IC303.2@36.502,46.538 38.408,46.538 39.7,45.246 42.892,45.246 44.509,46.863 v1(55.372,46.863) ; v1(77.499,31.412) 78.316,31.412 79.99,29.738 IC100.43@79.99,24.742
  Bottom Layer w0.2: v1(71.755,37.338) 72.771,37.338 73.914,36.195 73.914,34.29 75.311,32.893 76.018,32.893 v1(77.499,31.412) 76.78,32.131
BOOST-TIN: IC100.42 IC303.1 | length 36
  Top Layer w0.2: IC303.1@36.502,45.888 37.314,45.888 37.457,45.746 37.457,45.161 38.026,44.592 43.446,44.592 44.731,45.878 v1(55.403,45.878) ; v1(76.475,31.397) 76.483,31.397 76.483,30.796 76.945,30.334 76.981,30.334 77.089,30.226 77.978,30.226 79.49,28.714 IC100.42@79.49,24.742
  Bottom Layer w0.2: v1(72.517,36.576) 73.406,35.687 73.406,33.782 75.776,31.412 76.475,31.412 v1(76.475,31.397)
BOOT-CHGPMP-VBAT: Q100.3 Q306.1 R104.1
BOOT-CHGPMP-VIN: Q101.3 Q307.1 R105.1
BOOT-VBAT-N_4: C306.2 IC302.8 L300.1 Q300.1 Q300.2 Q300.3 Q303.5 Q303.6 Q303.7 Q303.8 Q303.9 Q303.10 Q303.11 Q304.3
BOOT-VBAT-P_4: C306.1 D303.1 IC302.6
BOOT-VIN-N_4: C307.2 IC303.8 L300.2 Q301.1 Q301.2 Q301.3 Q302.5 Q302.6 Q302.7 Q302.8 Q302.9 Q302.10 Q302.11 Q305.3
BOOT-VIN-P_4: C307.1 D304.1 IC303.6
BUCK-BIN: IC100.41 IC302.2 | length 47.4
  Top Layer w0.2: 44.323,11.657 45.947,11.657 48.133,13.843 59.817,13.843 66.04,20.066 70.612,20.066 v1(73.406,22.86) ; v1(77.216,29.464) 78.99,27.69 IC100.41@78.99,24.742
  Bottom Layer w0.2: v1(73.406,22.86) 75.311,24.765 75.311,27.559 v1(77.216,29.464)
BUCK-TIN: IC100.40 IC302.1 | length 46.1
  Top Layer w0.2: 44.323,10.795 45.547,10.795 48.268,13.516 60.125,13.516 66.294,19.685 71.374,19.685 v1(73.406,21.717) ; v1(77.216,28.448) 78.49,27.174 IC100.40@78.49,24.742
  Bottom Layer w0.2: v1(73.406,21.717) 75.819,24.13 75.819,27.051 v1(77.216,28.448)
CONV-IO_8: J700.10 R707.2
CONV_H: D701.6 IC100.44 R707.1 | length 24.2
  Top Layer w0.261: R707.1@78.74,6.85 78.74,7.542 79.715,8.517 D701.6@79.811,8.517 79.792,8.536 79.428,8.536 78.613,9.352 78.613,19.431 v1(80.645,21.463) ; IC100.44@80.49,24.742 80.49,25.908 80.772,26.19 v1(80.772,26.797)
  Bottom Layer w0.261: v1(80.645,21.463) 80.709,21.526 80.709,26.733 v1(80.772,26.797)
CS-IO_8: J700.01 R703.2
CS_H: D700.1 IC100.34 R703.1 | length 30.6
  Top Layer w0.2: D700.1@89.099,8.517 89.099,8.183 89.281,8.001 90.17,8.001 ; R703.1@90.17,6.85 90.17,8.001 ; v1(90.424,11.43) 90.424,8.636 90.17,8.382 90.17,8.001
  Top Layer w0.261: IC100.34@75.49,24.742 75.49,20.776 v1(76.073,20.193)
  Bottom Layer w0.261: v1(76.073,20.193) 76.073,19.558 85.344,10.287 89.916,10.287 90.424,10.795 v1(90.424,11.43)
DEBUG-LED1: IC100.10 R507.1 | length 23.2
  Top Layer w0.2: IC100.10@77.99,36.218 77.99,35.04 79.248,33.782 80.772,33.782 81.28,34.29 83.185,34.29 85.217,36.322 86.995,36.322 89.027,38.354 89.027,42.418 90.043,43.434 R507.1@93.103,43.434
DEBUG-LED2: IC100.4 R506.1 | length 20.9
  Top Layer w0.2: IC100.4@80.99,36.218 80.99,34.947 81.266,34.671 83.058,34.671 85.09,36.703 86.868,36.703 88.646,38.481 88.646,43.688 90.043,45.085 R506.1@93.103,45.085
DEBUG-LED3: IC100.3 R505.1 | length 21.1
  Top Layer w0.2: IC100.3@81.49,36.218 81.49,35.169 81.607,35.052 82.931,35.052 84.963,37.084 86.741,37.084 88.265,38.608 88.265,44.704 90.297,46.736 R505.1@93.103,46.736